# Altium PCB Soldermask_new.PcbDoc (part 4 of 4)
Units mm, origin at the board's own origin, x right, y up, seen from the top; angles counter-clockwise.
Board outline 56.52 x 96.27 mm, 2 copper layers (Top Layer, Bottom Layer); 83 components, 70 nets, 284 pads, 137 vias.
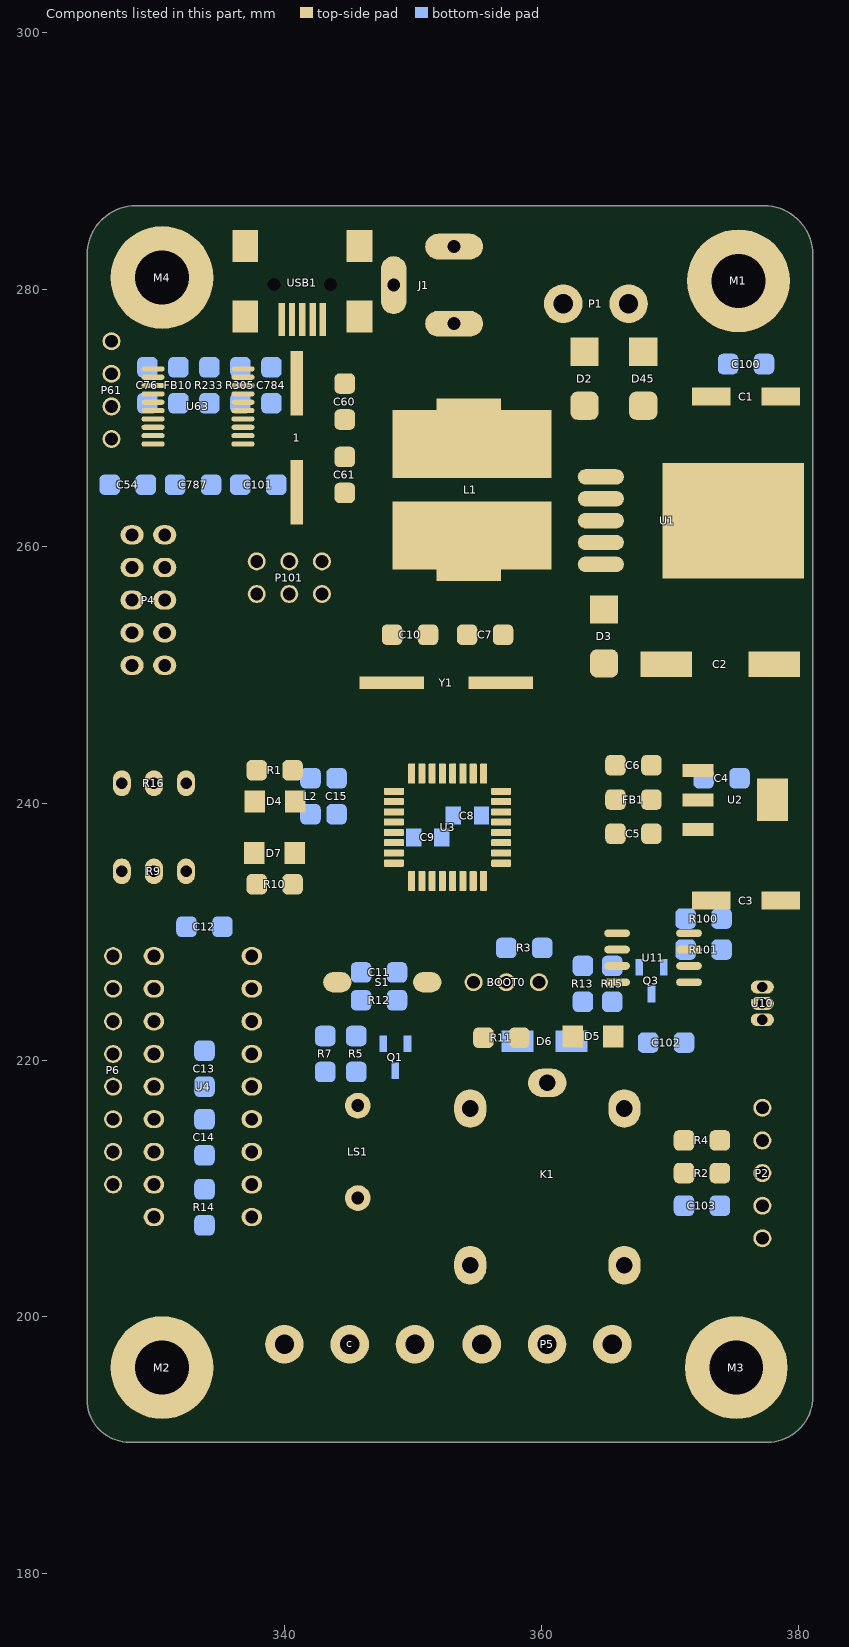
[diagram p4: the components of this part, seen from the top]

## Via types
v1: diameter 1, hole 0.5, Top Layer to Bottom Layer, tented both sides, 102 vias
v2: diameter 0.8, hole 0.5, Top Layer to Bottom Layer, tented both sides, 32 vias
v3: diameter 1, hole 0.5, Top Layer to Bottom Layer, 3 vias

## Nets (pads, with @x,y where several pads share a name; then routed paths per layer and width w, separated by ;. In a path a pad name is that pad's centre, name@x,y a point inside that pad or via, vN(x,y) a via of type N, cw(c..) or ccw(c..) an arc to the next point about the centre after c; other vN are vias at no path point) (continued)
copper on no net: (continued)
  Bottom Layer w0.051: 361.34,261.188 361.442,261.188 ; 361.34,265.963 361.645,265.963 ; 361.34,272.974 361.645,272.974 ; 361.391,266.014 361.696,266.014 ; 361.391,272.923 361.696,272.923 ; 361.442,266.065 361.747,266.065 ; 361.442,272.872 361.747,272.872 ; 361.493,261.137 361.747,261.137 ; 361.493,266.116 361.798,266.116 ; 361.493,272.771 361.798,272.771 ; 361.493,272.821 361.798,272.821 ; 361.544,261.798 361.645,261.798 ; 361.544,261.849 361.645,261.849 ; 361.544,261.899 361.645,261.899 ; 361.544,261.95 361.594,261.95 ; 361.544,266.167 361.848,266.167 ; 361.544,266.217 361.848,266.217 ; 361.544,272.72 361.848,272.72 ; 361.594,261.188 361.747,261.188 ; 361.594,261.239 361.747,261.239 ; 361.594,261.29 361.747,261.29 ; 361.594,261.341 361.696,261.341 ; 361.594,261.391 361.696,261.391 ; 361.594,261.442 361.696,261.442 ; 361.594,261.493 361.696,261.493 ; 361.594,261.544 361.696,261.544 ; 361.594,261.595 361.696,261.595 ; 361.594,261.645 361.696,261.645 ; 361.594,261.696 361.696,261.696 ; 361.594,261.747 361.696,261.747 ; 361.594,266.268 361.899,266.268 ; 361.594,272.669 361.899,272.669 ; 361.645,266.319 361.95,266.319 ; 361.645,272.567 361.95,272.567 ; 361.645,272.618 361.95,272.618 ; 361.696,266.37 362.001,266.37 ; 361.696,266.421 362.001,266.421 ; 361.696,272.517 362.001,272.517 ; 361.747,266.471 362.052,266.471 ; 361.747,272.466 362.052,272.466 ; 361.798,266.522 362.102,266.522 ; 361.798,266.573 362.102,266.573 ; 361.798,272.364 362.102,272.364 ; 361.798,272.415 362.052,272.415 ; 361.848,261.442 362.204,261.442 ; 361.848,261.493 362.153,261.493 ; 361.848,266.624 362.153,266.624 ; 361.848,272.313 362.153,272.313 ; 361.899,261.341 362.255,261.341 ; 361.899,261.391 362.204,261.391 ; 361.899,261.544 362.153,261.544 ; 361.899,266.675 362.204,266.675 ; 361.899,266.725 362.204,266.725 ; 361.899,272.212 362.204,272.212 ; 361.899,272.263 362.153,272.263 ; 361.95,261.29 362.356,261.29 ; 361.95,266.776 362.255,266.776 ; 361.95,272.11 362.255,272.11 ; 361.95,272.161 362.204,272.161 ; 362.001,266.827 362.255,266.827 ; 362.001,266.878 362.306,266.878 ; 362.001,272.059 362.255,272.059 ; 362.052,261.239 362.407,261.239 ; 362.052,266.929 362.306,266.929 ; 362.052,266.979 362.356,266.979 ; 362.052,271.958 362.306,271.958 ; 362.052,272.009 362.306,272.009 ; 362.102,267.03 362.356,267.03 ; 362.102,267.081 362.407,267.081 ; 362.102,271.856 362.407,271.856 ; 362.102,271.907 362.356,271.907 ; 362.153,267.132 362.407,267.132 ; 362.153,267.183 362.458,267.183 ; 362.153,271.755 362.458,271.755 ; 362.153,271.805 362.407,271.805 ; 362.204,261.188 362.458,261.188 ; 362.204,267.233 362.458,267.233 ; 362.204,267.284 362.509,267.284 ; 362.204,271.653 362.458,271.653 ; 362.204,271.704 362.458,271.704 ; 362.255,267.335 362.509,267.335 ; 362.255,267.386 362.56,267.386 ; 362.255,271.501 362.56,271.501 ; 362.255,271.551 362.509,271.551 ; 362.255,271.602 362.509,271.602 ; 362.306,261.137 362.509,261.137 ; 362.306,267.437 362.56,267.437 ; 362.306,267.487 362.56,267.487 ; 362.306,267.538 362.61,267.538 ; 362.306,271.399 362.61,271.399 ; 362.306,271.45 362.56,271.45 ; 362.356,267.589 362.61,267.589 ; 362.356,267.64 362.61,267.64 ; 362.356,271.247 362.61,271.247 ; 362.356,271.297 362.61,271.297 ; 362.356,271.348 362.61,271.348 ; 362.407,261.087 362.509,261.087 ; 362.407,267.691 362.661,267.691 ; 362.407,267.741 362.661,267.741 ; 362.407,267.792 362.661,267.792 ; 362.407,271.094 362.712,271.094 ; 362.407,271.145 362.661,271.145 ; 362.407,271.196 362.661,271.196 ; 362.458,260.985 362.61,260.985 ; 362.458,261.036 362.56,261.036 ; 362.458,267.843 362.712,267.843 ; 362.458,267.894 362.712,267.894 ; 362.458,267.945 362.712,267.945 ; 362.458,270.942 362.763,270.942 ; 362.458,270.993 362.712,270.993 ; 362.458,271.043 362.712,271.043 ; 362.509,260.934 362.61,260.934 ; 362.509,267.995 362.763,267.995 ; 362.509,268.046 362.763,268.046 ; 362.509,268.097 362.763,268.097 ; 362.509,268.148 362.763,268.148 ; 362.509,270.739 362.814,270.739 ; 362.509,270.789 362.763,270.789 ; 362.509,270.84 362.763,270.84 ; 362.509,270.891 362.763,270.891 ; 362.56,260.782 362.661,260.782 ; 362.56,260.833 362.661,260.833 ; 362.56,260.883 362.61,260.883 ; 362.56,268.199 362.814,268.199 ; 362.56,268.249 362.814,268.249 ; 362.56,268.3 362.814,268.3 ; 362.56,268.351 362.814,268.351 ; 362.56,270.586 362.814,270.586 ; 362.56,270.637 362.814,270.637 ; 362.56,270.688 362.814,270.688 ; 362.61,260.426 362.712,260.426 ; 362.61,260.477 362.712,260.477 ; 362.61,260.528 362.712,260.528 ; 362.61,260.579 362.712,260.579 ; 362.61,260.629 362.661,260.629 ; 362.61,260.68 362.661,260.68 ; 362.61,260.731 362.661,260.731 ; 362.61,268.402 362.814,268.402 ; 362.61,268.453 362.864,268.453 ; 362.61,268.503 362.864,268.503 ; 362.61,268.554 362.864,268.554 ; 362.61,268.605 362.864,268.605 ; 362.61,268.656 362.864,268.656 ; 362.61,270.231 362.864,270.231 ; 362.61,270.281 362.864,270.281 ; 362.61,270.332 362.864,270.332 ; 362.61,270.383 362.864,270.383 ; 362.61,270.434 362.864,270.434 ; 362.61,270.485 362.814,270.485 ; 362.61,270.535 362.814,270.535 ; 362.661,259.563 362.712,259.563 ; 362.661,259.613 362.712,259.613 ; 362.661,259.664 362.712,259.664 ; 362.661,259.715 362.712,259.715 ; 362.661,259.766 362.712,259.766 ; 362.661,259.817 362.712,259.817 ; 362.661,259.867 362.712,259.867 ; 362.661,259.918 362.712,259.918 ; 362.661,259.969 362.712,259.969 ; 362.661,260.02 362.712,260.02 ; 362.661,260.071 362.712,260.071 ; 362.661,260.121 362.712,260.121 ; 362.661,260.172 362.712,260.172 ; 362.661,260.223 362.712,260.223 ; 362.661,260.274 362.712,260.274 ; 362.661,260.325 362.712,260.325 ; 362.661,260.375 362.712,260.375 ; 362.661,268.707 362.864,268.707 ; 362.661,268.757 362.915,268.757 ; 362.661,268.808 362.915,268.808 ; 362.661,268.859 362.915,268.859 ; 362.661,268.91 362.915,268.91 ; 362.661,268.961 362.915,268.961 ; 362.661,269.011 362.915,269.011 ; 362.661,269.062 362.915,269.062 ; 362.661,269.113 362.915,269.113 ; 362.661,269.164 362.915,269.164 ; 362.661,269.773 362.915,269.773 ; 362.661,269.824 362.915,269.824 ; 362.661,269.875 362.915,269.875 ; 362.661,269.926 362.915,269.926 ; 362.661,269.977 362.915,269.977 ; 362.661,270.027 362.915,270.027 ; 362.661,270.078 362.915,270.078 ; 362.661,270.129 362.915,270.129 ; 362.661,270.18 362.915,270.18 ; 362.712,269.215 362.915,269.215 ; 362.712,269.265 362.966,269.265 ; 362.712,269.316 362.966,269.316 ; 362.712,269.367 362.966,269.367 ; 362.712,269.418 362.966,269.418 ; 362.712,269.469 362.966,269.469 ; 362.712,269.519 362.966,269.519 ; 362.712,269.57 362.966,269.57 ; 362.712,269.621 362.966,269.621 ; 362.712,269.672 362.966,269.672 ; 362.712,269.723 362.915,269.723
  other v2: 330.454,193.151 375.158,193.151 328.403,194 332.505,194 373.107,194 377.209,194 327.554,196.051 333.354,196.051 372.258,196.051 378.058,196.051 328.403,198.102 332.505,198.102 373.107,198.102 377.209,198.102 330.454,198.951 375.158,198.951 375.327,277.77 330.454,278.024 373.276,278.619 377.378,278.619 328.403,278.873 332.505,278.873 372.427,280.67 378.227,280.67 327.554,280.924 333.354,280.924 373.276,282.721 377.378,282.721 328.403,282.975 332.505,282.975 375.327,283.57 330.454,283.824

## Keep-outs
Keep-Out Layer:
  the board outline again, w0.3

## Other copper
Top Layer:
  rectangle net GND: 350.901,236.347 354.457,239.903
  region net GND: 338.709,205.867 339.979,207.137 339.979,204.597
  text "PA3" at 339.344,252.984 h0.8
  text "PA2" at 339.344,251.079 h0.8
  text "LCD_EN" at 343.535,250.19 h0.8 r90
  text "USB/SER" at 338.201,249.39 h0.8 r90
Bottom Layer:
  rectangle net GND: 369.316,257.429 380.492,266.573
  region net 3V3: 349.377,236.093 349.377,234.823 354.33,234.823 354.33,236.093
  region net 3V3: 355.981,241.173 354.711,241.173 354.711,236.601 355.981,236.601
  region net 3V3: 355.981,240.157 355.981,241.427 349.758,241.427 349.758,240.157
  rectangle net 3V3: 349.377,235.077 350.647,241.427
  region net GND: 354.33,239.776 351.028,239.776 351.028,236.474 354.33,236.474
  region net 3V3: 374.018,232.156 373.51,232.664 374.523,232.664
  region net GND: 361.442,281.559 363.347,283.464 359.664,283.464
  text "Sajjad Roohi" at 361.061,255.397 h1
  text "Sajjad.roohi.78.sr@gmail.com" at 366.776,253.492 h1

## Text inside footprints (layer, text, board x,y; h text height)
P4: Top Overlay "9" at 330.2,263.906 h1.27 r270; Top Overlay "10" at 327.406,264.795 h1.27 r270; Top Overlay "1" at 330.2,248.412 h1.27 r270; Top Overlay "2" at 327.279,248.412 h1.27 r270
R9: Top Overlay "CW" at 326.579,236.263 h0.64
R16: Top Overlay "CW" at 326.579,243.121 h0.64
U1: Top Overlay "5" at 366.984,257.912 h1.02 r270
USB1: Mechanical 1 "PCB Edge" at 345.407,286.072 h0.25 r180